# EAGLE board Mk4 Final Panel 8up 4x2 (EAGLE 9.0.1), part 6 of 23 (continued)
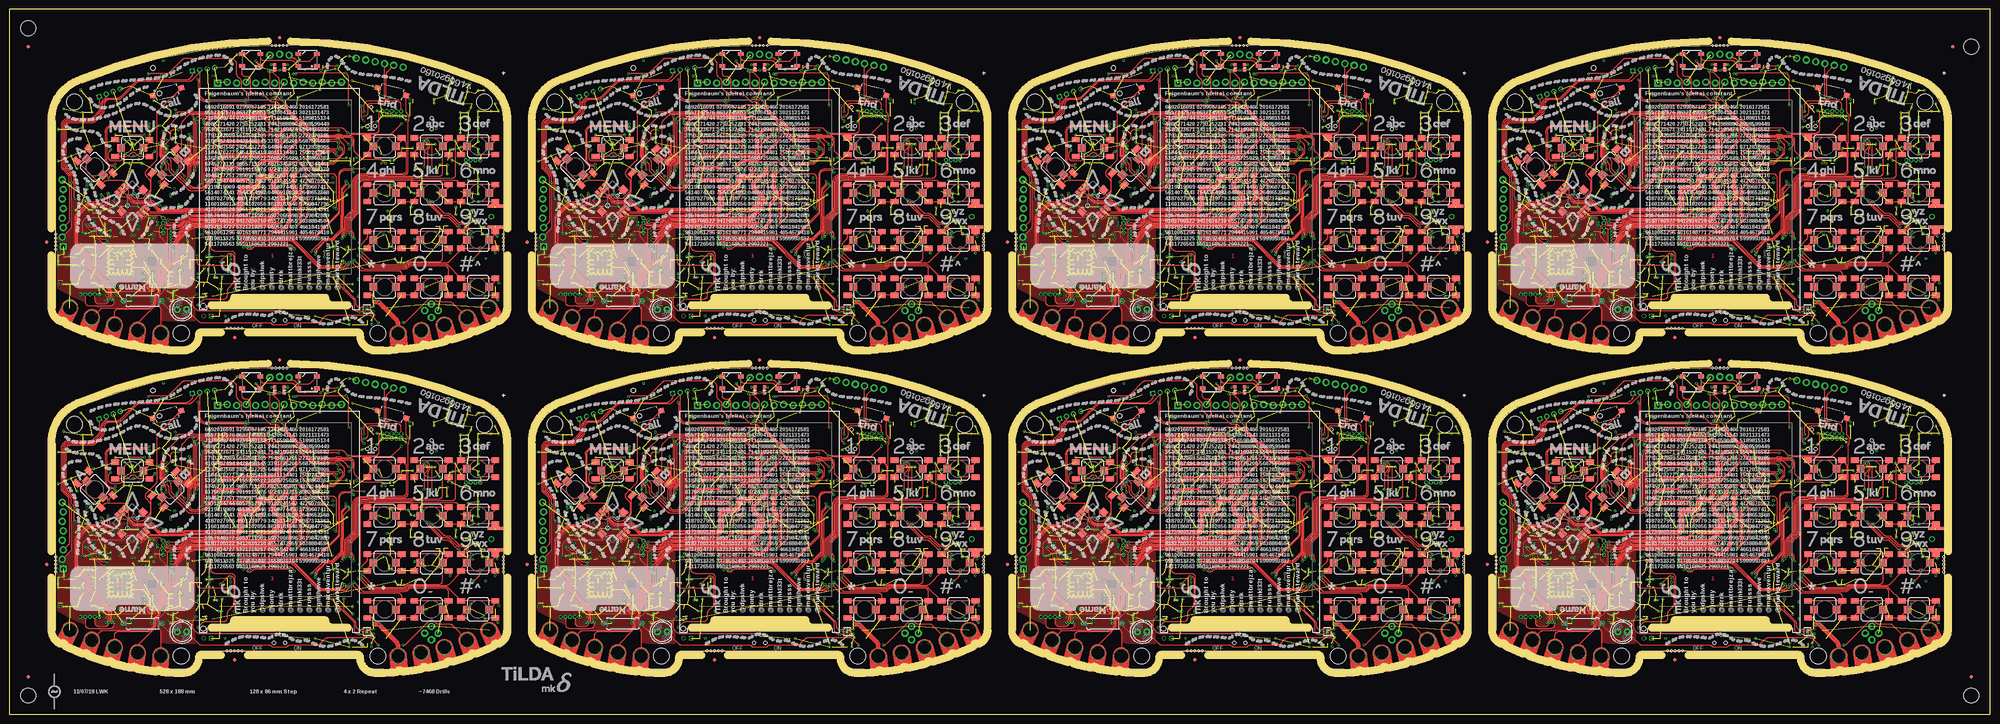
[diagram p0: board, top side]
## Tracks (layer width: path | path; a pad name or v marks a point on that pad's centre or on a via) (continued)
3V5  (via drill 0.3)  (79 unrouted)
  Top 0.2: IC88.1 352.69,21.35 arc45 v353.05,21.5
  Top 0.3: SW5.COM 291.58,48.17 v290.5,49.25
  Bottom 0.15: v342.5,30.75 C534.1 342,31.5 arc-90 341.5,32 341.5,32.16 arc-90 IC86.5
  Bottom 0.2: IC74.9 331,55.75 C447.2 | IC74.8 331.4,58.19 arc-45 331.55,58.55 v331.75,58.75 331.8,58.7 IC74.7 | IC74.16 328.2,56.01 arc45 328.35,55.65 C446.2 v328.5,54.75 | IC74.47 319.46,64.4 arc45 C444.2 | IC74.113 336.14,64.8 arc45 336.84,65.09 C443.2 | IC74.79 327.4,73.44 arc45 327.11,74.14 C445.2 | IC74.69 323.4,71.86 arc-45 v323.25,71.5 323.15,71.6 arc-45 323,71.96 IC74.68 | 288.75,39.28 IC83.47 | IC74.90 331.8,71.55 v331.75,71.5 | IC74.51 v319,66 319.11,66.11 arc-45 319.81,66.4 IC74.52 | IC74.39 v321.5,61.2 | IC74.28 323.4,56.35 arc90 v323.75,56 arc90 324.2,56.45 IC74.26 | R327.1 v335.5,57.5 | IC74.122 334.62,61.2 arc-45 v334.5,61.25 | v353.05,21.5 C536.1 | IC74.101 336.95,69.6 v337.1,69.45 | R340.2 v340.75,59 | R339.2 341.07,61.32 arc-45 v341.5,61.5 | R378.1 276.5,51.5 arc-45 v276.25,50.9
  Bottom 0.25: J41.41 320.25,50 | J41.40 320.75,49.29 arc45 320.6,49.65 320.25,50 | J41.42 319.75,49.29 arc-45 319.9,49.65 320.25,50 | J41.35 v323.25,47.5 | J41.1 v340.25,47.5 | J41.8 v336.75,50 | J41.7 337.25,49.5 v336.75,50 | J41.9 336.25,49.5 v336.75,50 | C447.2 331.25,54.12 C448.2 331.5,53.62 v331.5,52.75 | v318,64.1 C444.2 | v338.25,65.75 C443.2 | v327,75 C445.2 | R322.2 v327,78 | R323.2 v318,72.25 | C521.1 288.16,40.5 arc45 287.46,40.21 arc45 287.25,39.71 IC83.44 | IC83.39 284.75,41.55 C522.1 | IC83.37 283.75,41.35 C520.1 | C523.1 v284,28.25 284.46,28.71 arc45 284.75,29.41 IC83.10 | C524.1 v292,35.5 291.9,35.6 arc45 291.54,35.75 IC83.54 | IC85.21 C455.2 | v342,42.3 R386.2 | JP39.8 330.35,83.71 arc45 330.5,84.06 C437.2 | IC82.6 289.12,63.02 v289.05,62.95 C509.1
  Bottom 0.3: 289.22,39.75 288.75,39.28 | R385.2 v277.25,42.25 | JP37.1 353.63,74.63 v354,75 | IC81.14 362.81,71.44 R368.2 C496.2 v361.75,72.5 | IC76.8 337.35,58.15 C436.2 v337.25,59 | R328.1 v346,52.5 | C462.2 310.43,54.25 IC73.27 310.33,54.25 v309.25,54.25 | v300.25,66.5 arc-45 299.77,66.3 IC73.43 297.8,66.3 C458.2 | v300.25,71 300.15,71.1 IC73.49 297.85,71.1 C461.2 | v309.25,73.5 IC73.3 C456.2 | v309.25,75.25 309.4,75.1 IC73.1 311.65,75.1 C460.2 | v309.25,68.75 309.3,68.7 IC73.9 311.7,68.7 C457.2 | v309.25,64.75 309.3,64.7 IC73.14 311.7,64.7 C459.2 | C477.2 v294,46.5 | C477.2 294.75,47 v294.75,46.5 | C477.2 293.25,47 v293.25,46.5 | v347,61.5 R362.2 | C535.1 R372.1 | R338.2 R337.2 v313.3,60.75 | C520.1 v282.85,41.5 | C438.2 336.89,80.61 JP39.11 | v348.6,62.45 C495.2 348.02,62.73 IC80.8 | J46.7 J46.3 | J48.7 J48.3 | IC89.5 C539.1 v346.6,19
  Bottom 0.4: 289.22,39.75 290.19,39.75 arc45 290.89,40.04 C525.1 291.6,41.39 arc-45 291.75,41.75 v292,42 | v289.25,41.75 289.25,41.66 arc-45 288.96,40.96 288.7,40.7 C521.1 288.5,40.7 v288.5,41.75 | C522.1 285.1,41.7 v285.65,42.25 | v294.25,31.75 R380.2 | v294.25,29.75 R381.2 | v284,48.15 284.5,48.15 arc90 285.5,49.15 C510.2 285.5,49.53 arc45 285.21,50.24 IC84.8 | R379.2 v280.25,49.25 | v342.5,38.5 C455.2 | v296.95,27.6 R372.1 | C478.2 v288.5,25 | C478.2 289,25.75 v288.5,25.75 | C478.2 289,24.25 v288.5,24.25 | IC90.1 355.05,22 C540.1 353.96,22 arc45 353.26,21.71 v353.05,21.5 | TP92.TP 301.55,33.95 v301.55,32.65
  Bottom 0.5: C439.2 345.14,82 JP39.14
  other vias: 320.5,53.25 301.15,32.15 301.95,32.15 302.3,36.35 302,35.35 301.7,35.95
  pour 3V3@2 (isolate 0.254, rank 6): 268.2,74.5 268.2,21 arc31 300,12 302.7,12 arc90 305.5,14.8 arc-90 307.5,16.8 348.5,16.8 arc-90 350.5,14.8 arc90 353.3,12 356,12 arc31 387.8,21 387.8,44.5 381.5,44.5 381.5,74.5 387.8,74.5 arc64 381.25,82.25 arc24 328,92.5 arc24 274.75,82.25 arc55
  pour Bottom (no thermals): 320.25,52 320.25,53.3 320.45,53.5 320.8,53.5 321,53.3 321,51.75 320.5,51.25 320.5,49.75 320,49.75 320,51.75
  pour Bottom (no thermals): 304.3,27.65 302.75,27.65 302.35,28.05 arc45 301.99,28.2 300.85,28.2 300.85,35.39 arc-45 301,35.75 301.85,36.6 arc-45 302.21,36.75 302.25,36.75 arc-90 302.75,36.25 302.75,36.11 arc-45 302.6,35.75 302.45,35.6 arc45 302.3,35.24 302.3,29.4 arc90 302.8,28.9 303.8,28.9 arc-90 304.3,28.4
  pour Top: 292.35,46.85 290.65,45.15 arc-45 290.29,45 284.41,45 arc45 283.71,44.71 282.79,43.79 arc45 282.5,43.09 282.5,40 arc90 283.5,39 289.09,39 arc45 289.79,39.29 293.71,43.21 arc45 294,43.91 294,44.29 arc-45 294.15,44.65 295.35,45.85 arc45 295.5,46.21 295.5,46.5 arc90 295,47 292.71,47 arc45
3V6  (via drill 0.3)  (79 unrouted)
  Top 0.2: IC106.1 480.69,21.35 arc45 v481.05,21.5
  Top 0.3: SW6.COM 419.58,48.17 v418.5,49.25
  Bottom 0.15: v470.5,30.75 C642.1 470,31.5 arc-90 469.5,32 469.5,32.16 arc-90 IC104.5
  Bottom 0.2: IC92.9 459,55.75 C555.2 | IC92.8 459.4,58.19 arc-45 459.55,58.55 v459.75,58.75 459.8,58.7 IC92.7 | IC92.16 456.2,56.01 arc45 456.35,55.65 C554.2 v456.5,54.75 | IC92.47 447.46,64.4 arc45 C552.2 | IC92.113 464.14,64.8 arc45 464.84,65.09 C551.2 | IC92.79 455.4,73.44 arc45 455.11,74.14 C553.2 | IC92.69 451.4,71.86 arc-45 v451.25,71.5 451.15,71.6 arc-45 451,71.96 IC92.68 | 416.75,39.28 IC101.47 | IC92.90 459.8,71.55 v459.75,71.5 | IC92.51 v447,66 447.11,66.11 arc-45 447.81,66.4 IC92.52 | IC92.39 v449.5,61.2 | IC92.28 451.4,56.35 arc90 v451.75,56 arc90 452.2,56.45 IC92.26 | R405.1 v463.5,57.5 | IC92.122 462.62,61.2 arc-45 v462.5,61.25 | v481.05,21.5 C644.1 | IC92.101 464.95,69.6 v465.1,69.45 | R418.2 v468.75,59 | R417.2 469.07,61.32 arc-45 v469.5,61.5 | R456.1 404.5,51.5 arc-45 v404.25,50.9
  Bottom 0.25: J51.41 448.25,50 | J51.40 448.75,49.29 arc45 448.6,49.65 448.25,50 | J51.42 447.75,49.29 arc-45 447.9,49.65 448.25,50 | J51.35 v451.25,47.5 | J51.1 v468.25,47.5 | J51.8 v464.75,50 | J51.7 465.25,49.5 v464.75,50 | J51.9 464.25,49.5 v464.75,50 | C555.2 459.25,54.12 C556.2 459.5,53.62 v459.5,52.75 | v446,64.1 C552.2 | v466.25,65.75 C551.2 | v455,75 C553.2 | R400.2 v455,78 | R401.2 v446,72.25 | C629.1 416.16,40.5 arc45 415.46,40.21 arc45 415.25,39.71 IC101.44 | IC101.39 412.75,41.55 C630.1 | IC101.37 411.75,41.35 C628.1 | C631.1 v412,28.25 412.46,28.71 arc45 412.75,29.41 IC101.10 | C632.1 v420,35.5 419.9,35.6 arc45 419.54,35.75 IC101.54 | IC103.21 C563.2 | v470,42.3 R464.2 | JP48.8 458.35,83.71 arc45 458.5,84.06 C545.2 | IC100.6 417.12,63.02 v417.05,62.95 C617.1
  Bottom 0.3: 417.22,39.75 416.75,39.28 | R463.2 v405.25,42.25 | JP46.1 481.63,74.63 v482,75 | IC99.14 490.81,71.44 R446.2 C604.2 v489.75,72.5 | IC94.8 465.35,58.15 C544.2 v465.25,59 | R406.1 v474,52.5 | C570.2 438.43,54.25 IC91.27 438.33,54.25 v437.25,54.25 | v428.25,66.5 arc-45 427.77,66.3 IC91.43 425.8,66.3 C566.2 | v428.25,71 428.15,71.1 IC91.49 425.85,71.1 C569.2 | v437.25,73.5 IC91.3 C564.2 | v437.25,75.25 437.4,75.1 IC91.1 439.65,75.1 C568.2 | v437.25,68.75 437.3,68.7 IC91.9 439.7,68.7 C565.2 | v437.25,64.75 437.3,64.7 IC91.14 439.7,64.7 C567.2 | C585.2 v422,46.5 | C585.2 422.75,47 v422.75,46.5 | C585.2 421.25,47 v421.25,46.5 | v475,61.5 R440.2 | C643.1 R450.1 | R416.2 R415.2 v441.3,60.75 | C628.1 v410.85,41.5 | C546.2 464.89,80.61 JP48.11 | v476.6,62.45 C603.2 476.02,62.73 IC98.8 | J56.7 J56.3 | J58.7 J58.3 | IC107.5 C647.1 v474.6,19
  Bottom 0.4: 417.22,39.75 418.19,39.75 arc45 418.89,40.04 C633.1 419.6,41.39 arc-45 419.75,41.75 v420,42 | v417.25,41.75 417.25,41.66 arc-45 416.96,40.96 416.7,40.7 C629.1 416.5,40.7 v416.5,41.75 | C630.1 413.1,41.7 v413.65,42.25 | v422.25,31.75 R458.2 | v422.25,29.75 R459.2 | v412,48.15 412.5,48.15 arc90 413.5,49.15 C618.2 413.5,49.53 arc45 413.21,50.24 IC102.8 | R457.2 v408.25,49.25 | v470.5,38.5 C563.2 | v424.95,27.6 R450.1 | C586.2 v416.5,25 | C586.2 417,25.75 v416.5,25.75 | C586.2 417,24.25 v416.5,24.25 | IC108.1 483.05,22 C648.1 481.96,22 arc45 481.26,21.71 v481.05,21.5 | TP111.TP 429.55,33.95 v429.55,32.65
  Bottom 0.5: C547.2 473.14,82 JP48.14
  other vias: 448.5,53.25 429.15,32.15 429.95,32.15 430.3,36.35 430,35.35 429.7,35.95
  pour 3V3@2 (isolate 0.254, rank 6): 396.2,74.5 396.2,21 arc31 428,12 430.7,12 arc90 433.5,14.8 arc-90 435.5,16.8 476.5,16.8 arc-90 478.5,14.8 arc90 481.3,12 484,12 arc31 515.8,21 515.8,44.5 509.5,44.5 509.5,74.5 515.8,74.5 arc64 509.25,82.25 arc24 456,92.5 arc24 402.75,82.25 arc55
  pour Bottom (no thermals): 448.25,52 448.25,53.3 448.45,53.5 448.8,53.5 449,53.3 449,51.75 448.5,51.25 448.5,49.75 448,49.75 448,51.75
  pour Bottom (no thermals): 432.3,27.65 430.75,27.65 430.35,28.05 arc45 429.99,28.2 428.85,28.2 428.85,35.39 arc-45 429,35.75 429.85,36.6 arc-45 430.21,36.75 430.25,36.75 arc-90 430.75,36.25 430.75,36.11 arc-45 430.6,35.75 430.45,35.6 arc45 430.3,35.24 430.3,29.4 arc90 430.8,28.9 431.8,28.9 arc-90 432.3,28.4
  pour Top: 420.35,46.85 418.65,45.15 arc-45 418.29,45 412.41,45 arc45 411.71,44.71 410.79,43.79 arc45 410.5,43.09 410.5,40 arc90 411.5,39 417.09,39 arc45 417.79,39.29 421.71,43.21 arc45 422,43.91 422,44.29 arc-45 422.15,44.65 423.35,45.85 arc45 423.5,46.21 423.5,46.5 arc90 423,47 420.71,47 arc45
3V7  (via drill 0.3)  (79 unrouted)
  Top 0.2: IC124.1 352.69,107.35 arc45 v353.05,107.5
  Top 0.3: SW7.COM 291.58,134.17 v290.5,135.25
  Bottom 0.15: v342.5,116.75 C750.1 342,117.5 arc-90 341.5,118 341.5,118.16 arc-90 IC122.5
  Bottom 0.2: IC110.9 331,141.75 C663.2 | IC110.8 331.4,144.19 arc-45 331.55,144.55 v331.75,144.75 331.8,144.7 IC110.7 | IC110.16 328.2,142.01 arc45 328.35,141.65 C662.2 v328.5,140.75 | IC110.47 319.46,150.4 arc45 C660.2 | IC110.113 336.14,150.8 arc45 336.84,151.09 C659.2 | IC110.79 327.4,159.44 arc45 327.11,160.14 C661.2 | IC110.69 323.4,157.86 arc-45 v323.25,157.5 323.15,157.6 arc-45 323,157.96 IC110.68 | 288.75,125.28 IC119.47 | IC110.90 331.8,157.55 v331.75,157.5 | IC110.51 v319,152 319.11,152.11 arc-45 319.81,152.4 IC110.52 | IC110.39 v321.5,147.2 | IC110.28 323.4,142.35 arc90 v323.75,142 arc90 324.2,142.45 IC110.26 | R483.1 v335.5,143.5 | IC110.122 334.62,147.2 arc-45 v334.5,147.25 | v353.05,107.5 C752.1 | IC110.101 336.95,155.6 v337.1,155.45 | R496.2 v340.75,145 | R495.2 341.07,147.32 arc-45 v341.5,147.5 | R534.1 276.5,137.5 arc-45 v276.25,136.9
  Bottom 0.25: J61.41 320.25,136 | J61.40 320.75,135.29 arc45 320.6,135.65 320.25,136 | J61.42 319.75,135.29 arc-45 319.9,135.65 320.25,136 | J61.35 v323.25,133.5 | J61.1 v340.25,133.5 | J61.8 v336.75,136 | J61.7 337.25,135.5 v336.75,136 | J61.9 336.25,135.5 v336.75,136 | C663.2 331.25,140.12 C664.2 331.5,139.62 v331.5,138.75 | v318,150.1 C660.2 | v338.25,151.75 C659.2 | v327,161 C661.2 | R478.2 v327,164 | R479.2 v318,158.25 | C737.1 288.16,126.5 arc45 287.46,126.21 arc45 287.25,125.71 IC119.44 | IC119.39 284.75,127.55 C738.1 | IC119.37 283.75,127.35 C736.1 | C739.1 v284,114.25 284.46,114.71 arc45 284.75,115.41 IC119.10 | C740.1 v292,121.5 291.9,121.6 arc45 291.54,121.75 IC119.54 | IC121.21 C671.2 | v342,128.3 R542.2 | JP57.8 330.35,169.71 arc45 330.5,170.06 C653.2 | IC118.6 289.12,149.03 v289.05,148.95 C725.1
  Bottom 0.3: 289.22,125.75 288.75,125.28 | R541.2 v277.25,128.25 | JP55.1 353.63,160.63 v354,161 | IC117.14 362.81,157.44 R524.2 C712.2 v361.75,158.5 | IC112.8 337.35,144.15 C652.2 v337.25,145 | R484.1 v346,138.5 | C678.2 310.43,140.25 IC109.27 310.33,140.25 v309.25,140.25 | v300.25,152.5 arc-45 299.77,152.3 IC109.43 297.8,152.3 C674.2 | v300.25,157 300.15,157.1 IC109.49 297.85,157.1 C677.2 | v309.25,159.5 IC109.3 C672.2 | v309.25,161.25 309.4,161.1 IC109.1 311.65,161.1 C676.2 | v309.25,154.75 309.3,154.7 IC109.9 311.7,154.7 C673.2 | v309.25,150.75 309.3,150.7 IC109.14 311.7,150.7 C675.2 | C693.2 v294,132.5 | C693.2 294.75,133 v294.75,132.5 | C693.2 293.25,133 v293.25,132.5 | v347,147.5 R518.2 | C751.1 R528.1 | R494.2 R493.2 v313.3,146.75 | C736.1 v282.85,127.5 | C654.2 336.89,166.61 JP57.11 | v348.6,148.45 C711.2 348.02,148.72 IC116.8 | J66.7 J66.3 | J68.7 J68.3 | IC125.5 C755.1 v346.6,105
  Bottom 0.4: 289.22,125.75 290.19,125.75 arc45 290.89,126.04 C741.1 291.6,127.39 arc-45 291.75,127.75 v292,128 | v289.25,127.75 289.25,127.66 arc-45 288.96,126.96 288.7,126.7 C737.1 288.5,126.7 v288.5,127.75 | C738.1 285.1,127.7 v285.65,128.25 | v294.25,117.75 R536.2 | v294.25,115.75 R537.2 | v284,134.15 284.5,134.15 arc90 285.5,135.15 C726.2 285.5,135.53 arc45 285.21,136.24 IC120.8 | R535.2 v280.25,135.25 | v342.5,124.5 C671.2 | v296.95,113.6 R528.1 | C694.2 v288.5,111 | C694.2 289,111.75 v288.5,111.75 | C694.2 289,110.25 v288.5,110.25 | IC126.1 355.05,108 C756.1 353.96,108 arc45 353.26,107.71 v353.05,107.5 | TP130.TP 301.55,119.95 v301.55,118.65
  Bottom 0.5: C655.2 345.14,168 JP57.14
  other vias: 320.5,139.25 301.15,118.15 301.95,118.15 302.3,122.35 302,121.35 301.7,121.95
  pour 3V3@2 (isolate 0.254, rank 6): 268.2,160.5 268.2,107 arc31 300,98 302.7,98 arc90 305.5,100.8 arc-90 307.5,102.8 348.5,102.8 arc-90 350.5,100.8 arc90 353.3,98 356,98 arc31 387.8,107 387.8,130.5 381.5,130.5 381.5,160.5 387.8,160.5 arc64 381.25,168.25 arc24 328,178.5 arc24 274.75,168.25 arc55
  pour Bottom (no thermals): 320.25,138 320.25,139.3 320.45,139.5 320.8,139.5 321,139.3 321,137.75 320.5,137.25 320.5,135.75 320,135.75 320,137.75
  pour Bottom (no thermals): 304.3,113.65 302.75,113.65 302.35,114.05 arc45 301.99,114.2 300.85,114.2 300.85,121.39 arc-45 301,121.75 301.85,122.6 arc-45 302.21,122.75 302.25,122.75 arc-90 302.75,122.25 302.75,122.11 arc-45 302.6,121.75 302.45,121.6 arc45 302.3,121.24 302.3,115.4 arc90 302.8,114.9 303.8,114.9 arc-90 304.3,114.4
  pour Top: 292.35,132.85 290.65,131.15 arc-45 290.29,131 284.41,131 arc45 283.71,130.71 282.79,129.79 arc45 282.5,129.09 282.5,126 arc90 283.5,125 289.09,125 arc45 289.79,125.29 293.71,129.21 arc45 294,129.91 294,130.29 arc-45 294.15,130.65 295.35,131.85 arc45 295.5,132.21 295.5,132.5 arc90 295,133 292.71,133 arc45
3V8  (via drill 0.3)  (79 unrouted)
  Top 0.2: IC142.1 480.69,107.35 arc45 v481.05,107.5
  Top 0.3: SW8.COM 419.58,134.17 v418.5,135.25
  Bottom 0.15: v470.5,116.75 C858.1 470,117.5 arc-90 469.5,118 469.5,118.16 arc-90 IC140.5
  Bottom 0.2: IC128.9 459,141.75 C771.2 | IC128.8 459.4,144.19 arc-45 459.55,144.55 v459.75,144.75 459.8,144.7 IC128.7 | IC128.16 456.2,142.01 arc45 456.35,141.65 C770.2 v456.5,140.75 | IC128.47 447.46,150.4 arc45 C768.2 | IC128.113 464.14,150.8 arc45 464.84,151.09 C767.2 | IC128.79 455.4,159.44 arc45 455.11,160.14 C769.2 | IC128.69 451.4,157.86 arc-45 v451.25,157.5 451.15,157.6 arc-45 451,157.96 IC128.68 | 416.75,125.28 IC137.47 | IC128.90 459.8,157.55 v459.75,157.5 | IC128.51 v447,152 447.11,152.11 arc-45 447.81,152.4 IC128.52 | IC128.39 v449.5,147.2 | IC128.28 451.4,142.35 arc90 v451.75,142 arc90 452.2,142.45 IC128.26 | R561.1 v463.5,143.5 | IC128.122 462.62,147.2 arc-45 v462.5,147.25 | v481.05,107.5 C860.1 | IC128.101 464.95,155.6 v465.1,155.45 | R574.2 v468.75,145 | R573.2 469.07,147.32 arc-45 v469.5,147.5 | R612.1 404.5,137.5 arc-45 v404.25,136.9
  Bottom 0.25: J71.41 448.25,136 | J71.40 448.75,135.29 arc45 448.6,135.65 448.25,136 | J71.42 447.75,135.29 arc-45 447.9,135.65 448.25,136 | J71.35 v451.25,133.5 | J71.1 v468.25,133.5 | J71.8 v464.75,136 | J71.7 465.25,135.5 v464.75,136 | J71.9 464.25,135.5 v464.75,136 | C771.2 459.25,140.12 C772.2 459.5,139.62 v459.5,138.75 | v446,150.1 C768.2 | v466.25,151.75 C767.2 | v455,161 C769.2 | R556.2 v455,164 | R557.2 v446,158.25 | C845.1 416.16,126.5 arc45 415.46,126.21 arc45 415.25,125.71 IC137.44 | IC137.39 412.75,127.55 C846.1 | IC137.37 411.75,127.35 C844.1 | C847.1 v412,114.25 412.46,114.71 arc45 412.75,115.41 IC137.10 | C848.1 v420,121.5 419.9,121.6 arc45 419.54,121.75 IC137.54 | IC139.21 C779.2 | v470,128.3 R620.2 | JP66.8 458.35,169.71 arc45 458.5,170.06 C761.2 | IC136.6 417.12,149.03 v417.05,148.95 C833.1
  Bottom 0.3: 417.22,125.75 416.75,125.28 | R619.2 v405.25,128.25 | JP64.1 481.63,160.63 v482,161 | IC135.14 490.81,157.44 R602.2 C820.2 v489.75,158.5 | IC130.8 465.35,144.15 C760.2 v465.25,145 | R562.1 v474,138.5 | C786.2 438.43,140.25 IC127.27 438.33,140.25 v437.25,140.25 | v428.25,152.5 arc-45 427.77,152.3 IC127.43 425.8,152.3 C782.2 | v428.25,157 428.15,157.1 IC127.49 425.85,157.1 C785.2 | v437.25,159.5 IC127.3 C780.2 | v437.25,161.25 437.4,161.1 IC127.1 439.65,161.1 C784.2 | v437.25,154.75 437.3,154.7 IC127.9 439.7,154.7 C781.2 | v437.25,150.75 437.3,150.7 IC127.14 439.7,150.7 C783.2 | C801.2 v422,132.5 | C801.2 422.75,133 v422.75,132.5 | C801.2 421.25,133 v421.25,132.5 | v475,147.5 R596.2 | C859.1 R606.1 | R572.2 R571.2 v441.3,146.75 | C844.1 v410.85,127.5 | C762.2 464.89,166.61 JP66.11 | v476.6,148.45 C819.2 476.02,148.72 IC134.8 | J76.7 J76.3 | J78.7 J78.3 | IC143.5 C863.1 v474.6,105
  Bottom 0.4: 417.22,125.75 418.19,125.75 arc45 418.89,126.04 C849.1 419.6,127.39 arc-45 419.75,127.75 v420,128 | v417.25,127.75 417.25,127.66 arc-45 416.96,126.96 416.7,126.7 C845.1 416.5,126.7 v416.5,127.75 | C846.1 413.1,127.7 v413.65,128.25 | v422.25,117.75 R614.2 | v422.25,115.75 R615.2 | v412,134.15 412.5,134.15 arc90 413.5,135.15 C834.2 413.5,135.53 arc45 413.21,136.24 IC138.8 | R613.2 v408.25,135.25 | v470.5,124.5 C779.2 | v424.95,113.6 R606.1 | C802.2 v416.5,111 | C802.2 417,111.75 v416.5,111.75 | C802.2 417,110.25 v416.5,110.25 | IC144.1 483.05,108 C864.1 481.96,108 arc45 481.26,107.71 v481.05,107.5 | TP149.TP 429.55,119.95 v429.55,118.65
  Bottom 0.5: C763.2 473.14,168 JP66.14
  other vias: 448.5,139.25 429.15,118.15 429.95,118.15 430.3,122.35 430,121.35 429.7,121.95
  pour 3V3@2 (isolate 0.254, rank 6): 396.2,160.5 396.2,107 arc31 428,98 430.7,98 arc90 433.5,100.8 arc-90 435.5,102.8 476.5,102.8 arc-90 478.5,100.8 arc90 481.3,98 484,98 arc31 515.8,107 515.8,130.5 509.5,130.5 509.5,160.5 515.8,160.5 arc64 509.25,168.25 arc24 456,178.5 arc24 402.75,168.25 arc55
  pour Bottom (no thermals): 448.25,138 448.25,139.3 448.45,139.5 448.8,139.5 449,139.3 449,137.75 448.5,137.25 448.5,135.75 448,135.75 448,137.75
  pour Bottom (no thermals): 432.3,113.65 430.75,113.65 430.35,114.05 arc45 429.99,114.2 428.85,114.2 428.85,121.39 arc-45 429,121.75 429.85,122.6 arc-45 430.21,122.75 430.25,122.75 arc-90 430.75,122.25 430.75,122.11 arc-45 430.6,121.75 430.45,121.6 arc45 430.3,121.24 430.3,115.4 arc90 430.8,114.9 431.8,114.9 arc-90 432.3,114.4
  pour Top: 420.35,132.85 418.65,131.15 arc-45 418.29,131 412.41,131 arc45 411.71,130.71 410.79,129.79 arc45 410.5,129.09 410.5,126 arc90 411.5,125 417.09,125 arc45 417.79,125.29 421.71,129.21 arc45 422,129.91 422,130.29 arc-45 422.15,130.65 423.35,131.85 arc45 423.5,132.21 423.5,132.5 arc90 423,133 420.71,133 arc45
!HIB
  Bottom 0.2: IC1.65 65.8,73.24 arc45 65.65,73.6 65.6,73.65 arc90 64.9,73.65 64.4,73.15 TP1.TP
!HIB1
  Bottom 0.2: IC20.65 193.8,73.24 arc45 193.65,73.6 193.6,73.65 arc90 192.9,73.65 192.4,73.15 TP20.TP
!HIB2
  Bottom 0.2: IC38.65 65.8,159.24 arc45 65.65,159.6 65.6,159.65 arc90 64.9,159.65 64.4,159.15 TP39.TP
!HIB3
  Bottom 0.2: IC56.65 193.8,159.24 arc45 193.65,159.6 193.6,159.65 arc90 192.9,159.65 192.4,159.15 TP58.TP
!HIB4
  Bottom 0.2: IC74.65 321.8,73.24 arc45 321.65,73.6 321.6,73.65 arc90 320.9,73.65 320.4,73.15 TP77.TP
!HIB5
  Bottom 0.2: IC92.65 449.8,73.24 arc45 449.65,73.6 449.6,73.65 arc90 448.9,73.65 448.4,73.15 TP96.TP
!HIB6
  Bottom 0.2: IC110.65 321.8,159.24 arc45 321.65,159.6 321.6,159.65 arc90 320.9,159.65 320.4,159.15 TP115.TP
!HIB7
  Bottom 0.2: IC128.65 449.8,159.24 arc45 449.65,159.6 449.6,159.65 arc90 448.9,159.65 448.4,159.15 TP134.TP
!RESET  (via drill 0.3)
  Top 0.15: v89.7,56.2 89.7,55.81 arc-45 89.41,55.11 88.82,54.52 arc45 88.53,53.81 88.53,47.15 arc-45 88.5,47.08 88.43,47.01 arc45 88.4,46.94 88.4,43.76 arc-45 88.11,43.06 86.24,41.19 arc-45 85.54,40.9 84.31,40.9 arc45 83.61,40.61 v80.5,37.5
  Top 0.2: J3.10 98.84,74.84 arc45 98.6,74.27 98.6,70.05 arc-90 97.6,69.05 v90.2,69.05 89.19,70.06 arc45 88.49,70.35 80.46,70.35 arc-45 79.75,70.64 78.14,72.25 arc45 77.79,72.4 77.67,72.4 arc-45 76.96,72.69 74.02,75.63 arc-45 73.73,76.34 arc45 73.6,76.65 71.83,78.42 arc90 70.42,78.42 v70.25,78.25
  3V3@2 0.15: v90.2,69.05 90.2,66.8 88.62,65.22 88.62,64.38 88.5,64.26 88.5,58.65 89.7,57.45 v89.7,56.2
  Bottom 0.15: IC1.70 67.8,73.59 arc-45 67.95,73.95 68.25,74.25 arc-45 68.61,74.4 68.79,74.4 arc45 69.15,74.55 69.85,75.25 arc45 70,75.61 C15.2 | R4.1 70,77.79 arc-45 70.15,78.15 v70.25,78.25 | v80.5,37.5 80.5,31.82 arc45 81.01,30.59 86.09,25.51 arc45 87.33,25 90.45,25 arc-90 91.7,23.75 91.7,22.16 arc-45 91.41,21.46 90.41,20.46 arc-45 90.27,20.4 89.56,20.4 arc45 89.42,20.34 89.38,20.31 arc-45 89.24,20.25 S19.2
  Bottom 0.2: C15.2 R4.1
!RESET1  (via drill 0.3)
  Top 0.15: v217.7,56.2 217.7,55.81 arc-45 217.41,55.11 216.82,54.52 arc45 216.53,53.81 216.53,47.15 arc-45 216.5,47.08 216.43,47.01 arc45 216.4,46.94 216.4,43.76 arc-45 216.11,43.06 214.24,41.19 arc-45 213.54,40.9 212.31,40.9 arc45 211.61,40.61 v208.5,37.5
  Top 0.2: J13.10 226.84,74.84 arc45 226.6,74.27 226.6,70.05 arc-90 225.6,69.05 v218.2,69.05 217.19,70.06 arc45 216.49,70.35 208.46,70.35 arc-45 207.75,70.64 206.14,72.25 arc45 205.79,72.4 205.67,72.4 arc-45 204.96,72.69 202.02,75.63 arc-45 201.73,76.34 arc45 201.6,76.65 199.83,78.42 arc90 198.42,78.42 v198.25,78.25
  3V3@2 0.15: v218.2,69.05 218.2,66.8 216.62,65.22 216.62,64.38 216.5,64.26 216.5,58.65 217.7,57.45 v217.7,56.2
  Bottom 0.15: IC20.70 195.8,73.59 arc-45 195.95,73.95 196.25,74.25 arc-45 196.61,74.4 196.79,74.4 arc45 197.15,74.55 197.85,75.25 arc45 198,75.61 C125.2 | R88.1 198,77.79 arc-45 198.15,78.15 v198.25,78.25 | v208.5,37.5 208.5,31.82 arc45 209.01,30.59 214.09,25.51 arc45 215.32,25 218.45,25 arc-90 219.7,23.75 219.7,22.16 arc-45 219.41,21.46 218.41,20.46 arc-45 218.27,20.4 217.56,20.4 arc45 217.42,20.34 217.38,20.31 arc-45 217.24,20.25 S40.2
  Bottom 0.2: C125.2 R88.1
!RESET2  (via drill 0.3)
  Top 0.15: v89.7,142.2 89.7,141.81 arc-45 89.41,141.11 88.82,140.52 arc45 88.53,139.81 88.53,133.15 arc-45 88.5,133.08 88.43,133.01 arc45 88.4,132.94 88.4,129.76 arc-45 88.11,129.06 86.24,127.19 arc-45 85.54,126.9 84.31,126.9 arc45 83.61,126.61 v80.5,123.5
  Top 0.2: J23.10 98.84,160.84 arc45 98.6,160.27 98.6,156.05 arc-90 97.6,155.05 v90.2,155.05 89.19,156.06 arc45 88.49,156.35 80.46,156.35 arc-45 79.75,156.64 78.14,158.25 arc45 77.79,158.4 77.67,158.4 arc-45 76.96,158.69 74.02,161.63 arc-45 73.73,162.34 arc45 73.6,162.65 71.83,164.42 arc90 70.42,164.42 v70.25,164.25
  3V3@2 0.15: v90.2,155.05 90.2,152.8 88.62,151.22 88.62,150.38 88.5,150.26 88.5,144.65 89.7,143.45 v89.7,142.2
  Bottom 0.15: IC38.70 67.8,159.59 arc-45 67.95,159.95 68.25,160.25 arc-45 68.61,160.4 68.79,160.4 arc45 69.15,160.55 69.85,161.25 arc45 70,161.61 C233.2 | R166.1 70,163.79 arc-45 70.15,164.15 v70.25,164.25 | v80.5,123.5 80.5,117.83 arc45 81.01,116.59 86.09,111.51 arc45 87.33,111 90.45,111 arc-90 91.7,109.75 91.7,108.16 arc-45 91.41,107.46 90.41,106.46 arc-45 90.27,106.4 89.56,106.4 arc45 89.42,106.34 89.38,106.31 arc-45 89.24,106.25 S61.2
  Bottom 0.2: C233.2 R166.1
!RESET3  (via drill 0.3)
  Top 0.15: v217.7,142.2 217.7,141.81 arc-45 217.41,141.11 216.82,140.52 arc45 216.53,139.81 216.53,133.15 arc-45 216.5,133.08 216.43,133.01 arc45 216.4,132.94 216.4,129.76 arc-45 216.11,129.06 214.24,127.19 arc-45 213.54,126.9 212.31,126.9 arc45 211.61,126.61 v208.5,123.5
  Top 0.2: J33.10 226.84,160.84 arc45 226.6,160.27 226.6,156.05 arc-90 225.6,155.05 v218.2,155.05 217.19,156.06 arc45 216.49,156.35 208.46,156.35 arc-45 207.75,156.64 206.14,158.25 arc45 205.79,158.4 205.67,158.4 arc-45 204.96,158.69 202.02,161.63 arc-45 201.73,162.34 arc45 201.6,162.65 199.83,164.42 arc90 198.42,164.42 v198.25,164.25
  3V3@2 0.15: v218.2,155.05 218.2,152.8 216.62,151.22 216.62,150.38 216.5,150.26 216.5,144.65 217.7,143.45 v217.7,142.2
  Bottom 0.15: IC56.70 195.8,159.59 arc-45 195.95,159.95 196.25,160.25 arc-45 196.61,160.4 196.79,160.4 arc45 197.15,160.55 197.85,161.25 arc45 198,161.61 C341.2 | R244.1 198,163.79 arc-45 198.15,164.15 v198.25,164.25 | v208.5,123.5 208.5,117.83 arc45 209.01,116.59 214.09,111.51 arc45 215.32,111 218.45,111 arc-90 219.7,109.75 219.7,108.16 arc-45 219.41,107.46 218.41,106.46 arc-45 218.27,106.4 217.56,106.4 arc45 217.42,106.34 217.38,106.31 arc-45 217.24,106.25 S82.2
  Bottom 0.2: C341.2 R244.1
!RESET4  (via drill 0.3)
  Top 0.15: v345.7,56.2 345.7,55.81 arc-45 345.41,55.11 344.82,54.52 arc45 344.52,53.81 344.52,47.15 arc-45 344.5,47.08 344.43,47.01 arc45 344.4,46.94 344.4,43.76 arc-45 344.11,43.06 342.24,41.19 arc-45 341.54,40.9 340.31,40.9 arc45 339.61,40.61 v336.5,37.5
  Top 0.2: J43.10 354.83,74.84 arc45 354.6,74.27 354.6,70.05 arc-90 353.6,69.05 v346.2,69.05 345.19,70.06 arc45 344.49,70.35 336.46,70.35 arc-45 335.75,70.64 334.14,72.25 arc45 333.79,72.4 333.67,72.4 arc-45 332.96,72.69 330.02,75.63 arc-45 329.73,76.34 arc45 329.6,76.65 327.83,78.42 arc90 326.42,78.42 v326.25,78.25
  3V3@2 0.15: v346.2,69.05 346.2,66.8 344.62,65.22 344.62,64.38 344.5,64.26 344.5,58.65 345.7,57.45 v345.7,56.2